# KiCad board SparkFun_GNSS_LG580P_panelized.kicad_pcb (continued)
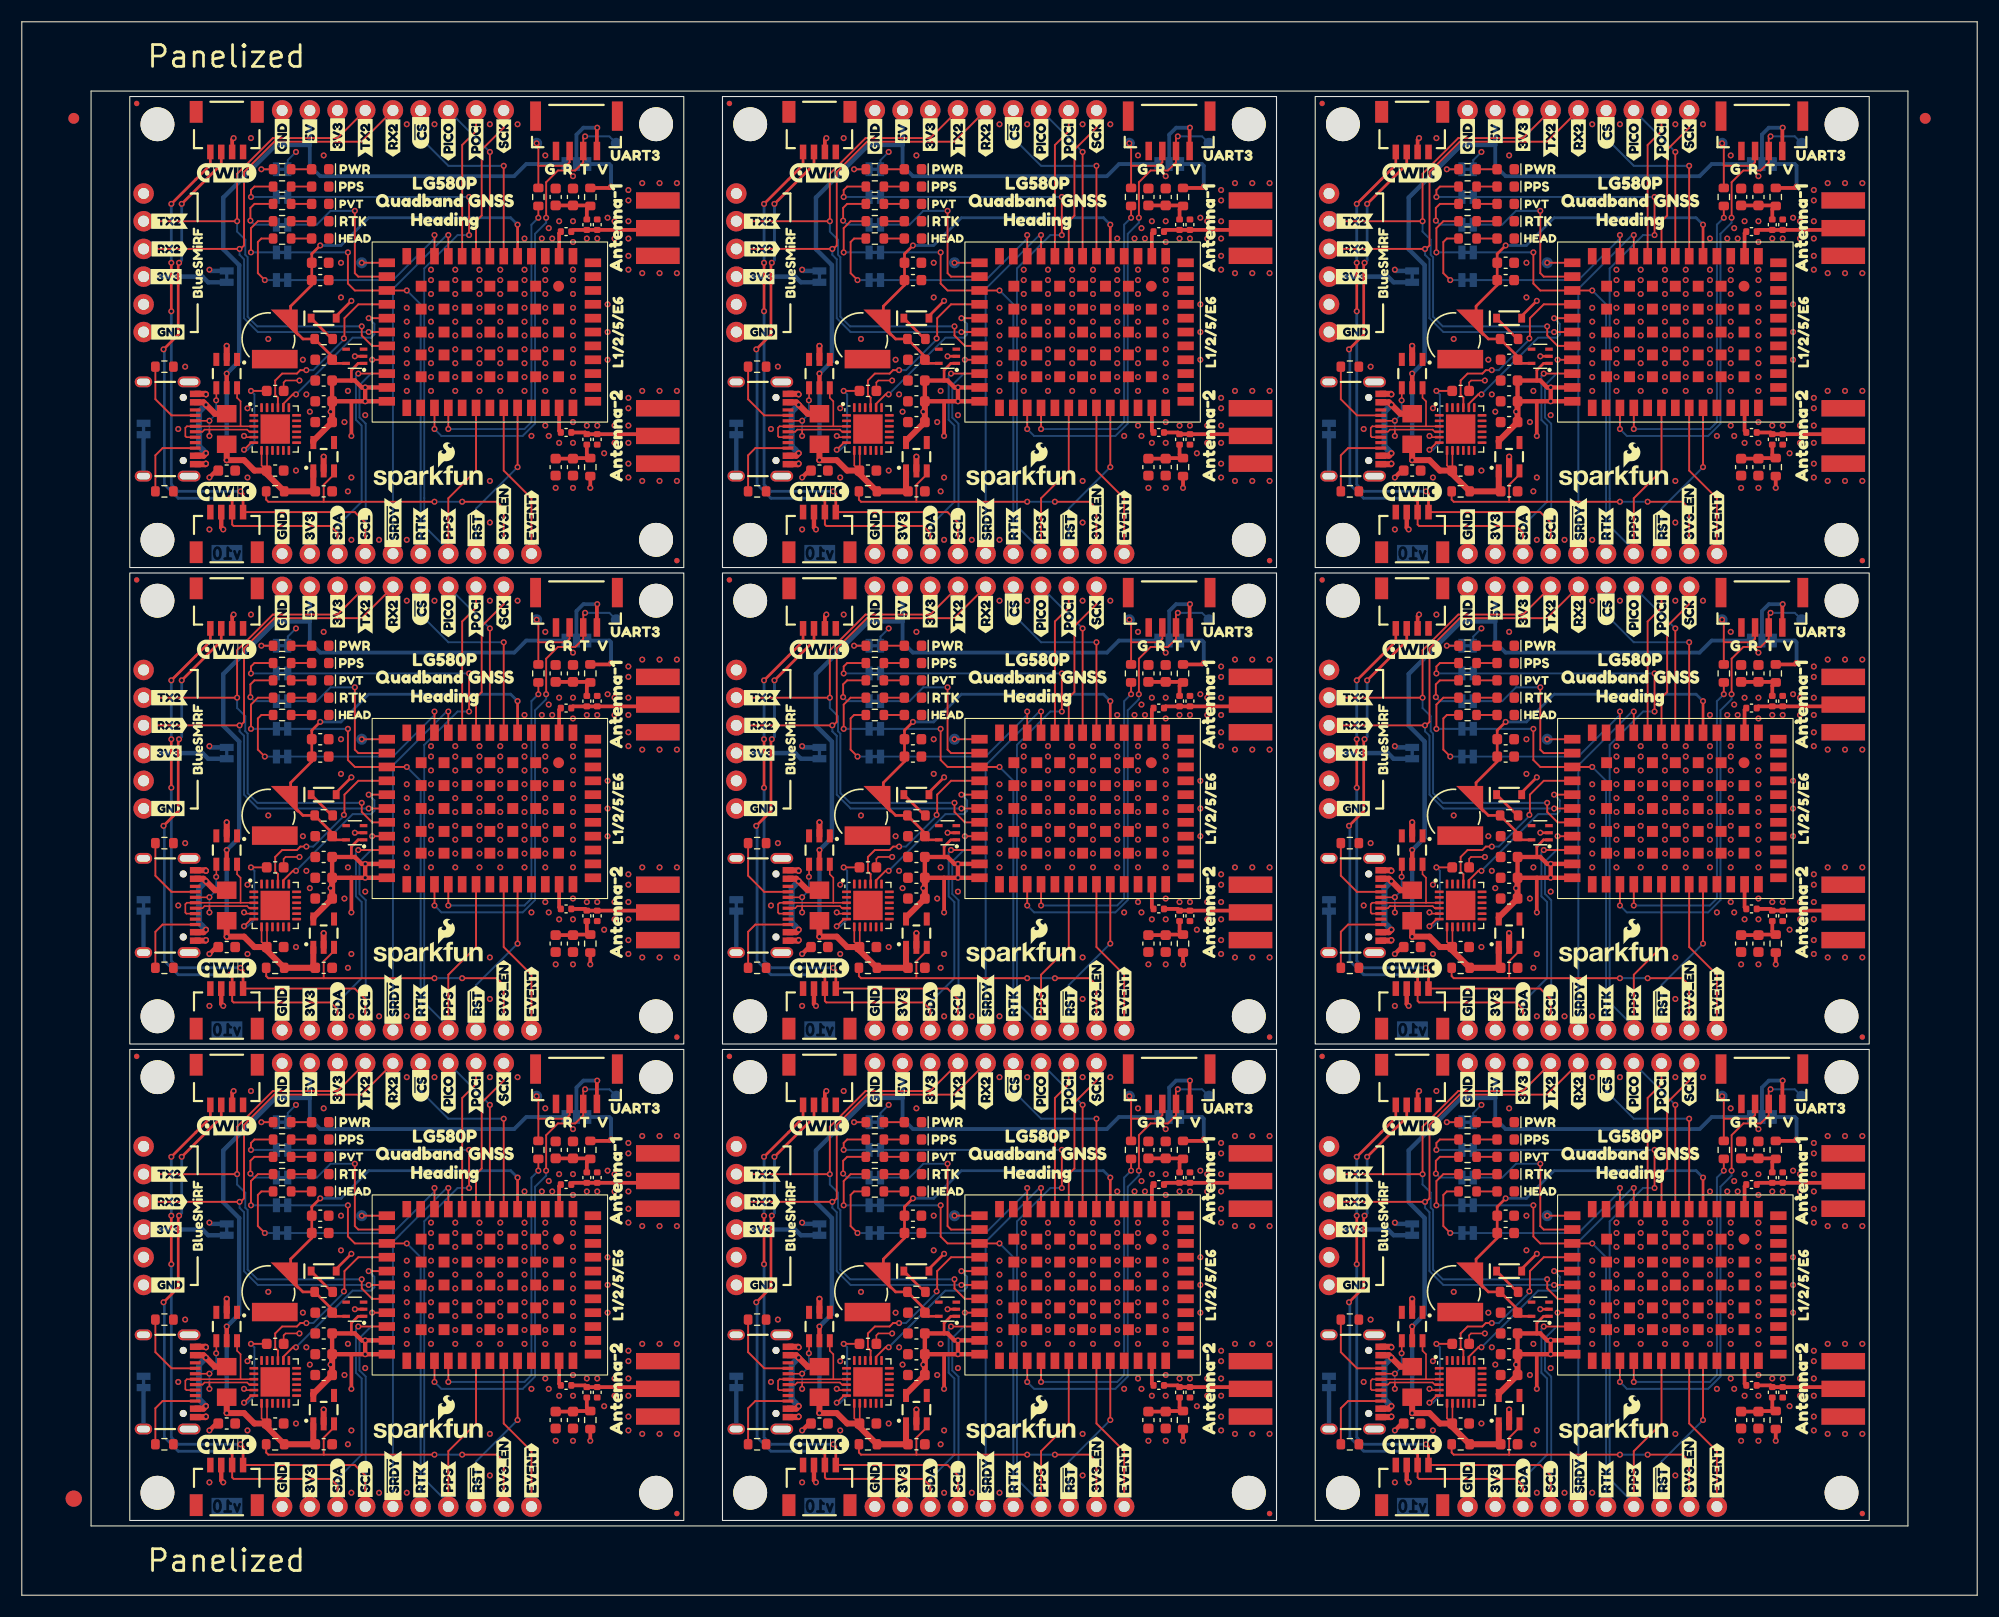
[diagram p0: board, top side]
## Routing (per net, layer and track width the routed paths; a pad name or vN(x,y) marks a point on that pad's centre or on a via; arc(x,y) is an arc through that point) (continued)
  Bottom w0.178: v1(51.65,46.38) 53.87,46.38 TP3#9.1 ; TP3#3.1 53.87,133.74 v1(51.65,133.74) ; v1(48.08,38.92) 48.08,38.46 47.06,37.44 47.06,20.05 45.92,18.92 38.47,18.92 v1(37.84,19.55) ; v1(37.84,63.23) 38.47,62.6 45.92,62.6 47.06,63.73 47.06,81.12 48.08,82.14 v1(48.08,82.6) ; v1(51.65,90.06) 53.87,90.06 TP3#2.1 ; v1(92.19,63.23) 92.82,62.6 100.27,62.6 101.41,63.73 101.41,81.12 102.42,82.14 v1(102.42,82.6) ; v1(156.77,38.92) 156.77,38.46 155.75,37.44 155.75,20.05 154.62,18.92 147.17,18.92 v1(146.53,19.55) ; TP3#6.1 108.22,133.74 v1(106,133.74) ; v1(146.53,106.91) 147.17,106.28 154.62,106.28 155.75,107.41 155.75,124.8 156.77,125.82 v1(156.77,126.28) ; v1(156.77,82.6) 156.77,82.14 155.75,81.12 155.75,63.73 154.62,62.6 147.17,62.6 v1(146.53,63.23) ; v1(160.35,46.38) 162.57,46.38 TP3#8.1 ; v1(102.42,38.92) 102.42,38.46 101.41,37.44 101.41,20.05 100.27,18.92 92.82,18.92 v1(92.19,19.55) ; v1(160.35,133.74) 162.57,133.74 TP3#5.1 ; TP3#7.1 162.57,90.06 v1(160.35,90.06) ; v1(37.84,106.91) 38.47,106.28 45.92,106.28 47.06,107.41 47.06,124.8 48.08,125.82 v1(48.08,126.28) ; TP3#4.1 108.22,46.38 v1(106,46.38) ; v1(102.42,126.28) 102.42,125.82 101.41,124.8 101.41,107.41 100.27,106.28 92.82,106.28 v1(92.19,106.91) ; v1(106,90.06) 108.22,90.06 TP3.1
V_BCKP: length 338
  Top w0.254: C11.1 135.28,79.28 v1(136.06,80.06) ; C11.1 C12#7.1 135.28,76.43 133.34,74.49 BT1#8.+ 133.34,72.61 134.47,71.48 R7#6.1 137.15,69.89 C9#4.1 137.48,69.25 D11#7.5 ; C11.1 135.27,78.48 ; U3#2.5 v1(154.15,125.64) ; v1(27.36,80.06) 26.59,79.28 C11#4.1 ; D11.5 28.79,112.93 C9#3.1 28.45,113.56 R7#2.1 25.77,115.17 24.65,116.29 24.65,118.17 26.59,120.11 C12.1 C11#5.1 ; C11#2.1 135.28,35.6 v1(136.06,36.38) ; C11#2.1 C12#6.1 135.28,32.75 133.34,30.81 BT1#5.+ 133.34,28.93 134.47,27.81 R7#5.1 137.15,26.2 C9#6.1 137.48,25.57 D11#6.5 ; C11#2.1 135.27,34.81 ; 80.92,78.48 C11#7.1 ; C11#7.1 C12#5.1 80.93,76.43 79,74.49 BT1#6.+ 79,72.61 80.12,71.48 R7#4.1 82.8,69.89 C9#7.1 83.13,69.25 D11#5.5 ; C11#7.1 80.93,79.28 v1(81.71,80.06) ; 80.92,34.81 C11#6.1 ; C11#6.1 C12#2.1 80.93,32.75 79,30.81 BT1#2.+ 79,28.93 80.12,27.81 R7#3.1 82.8,26.2 C9#2.1 83.13,25.57 D11#4.5 ; C11#6.1 80.93,35.6 v1(81.71,36.38) ; C11#5.1 26.59,122.96 v1(27.36,123.74) ; C11#5.1 26.57,122.17 ; C11#3.1 C12#8.1 135.28,120.11 133.34,118.17 BT1#9.+ 133.34,116.29 134.47,115.17 R7#8.1 137.15,113.56 C9#8.1 137.48,112.93 D11#2.5 ; C11#3.1 135.27,122.17 ; C11#3.1 135.28,122.96 v1(136.06,123.74) ; 45.46,79.07 v1(45.46,81.96) ; D11#3.5 28.79,69.25 C9.1 28.45,69.89 R7#9.1 25.77,71.48 24.65,72.61 24.65,74.49 26.59,76.43 C12#3.1 C11#4.1 ; 26.57,78.48 C11#4.1 ; 154.15,79.07 v1(154.15,81.96) ; 80.92,122.17 C11#8.1 ; C11#8.1 80.93,122.96 v1(81.71,123.74) ; C11#8.1 C12#4.1 80.93,120.11 79,118.17 BT1#7.+ 79,116.29 80.12,115.17 R7#7.1 82.8,113.56 C9#5.1 83.13,112.93 D11#8.5 ; 99.81,122.75 v1(99.81,125.64) ; U3#3.5 v1(45.46,125.64) ; 99.81,79.07 v1(99.81,81.96) ; 99.81,35.39 v1(99.81,38.28) ; U3#9.5 v1(45.46,38.28) ; 26.57,34.81 C11#9.1 ; C11#9.1 26.59,35.6 v1(27.36,36.38) ; C11#9.1 C12#9.1 26.59,32.75 24.65,30.81 24.65,28.93 25.77,27.81 R7.1 28.45,26.2 C9#9.1 28.79,25.57 D11#9.5 ; U3#8.5 v1(154.15,38.28)
  Bottom w0.254: v1(136.06,123.74) 137.96,123.74 140.5,126.28 153.52,126.28 v1(154.15,125.64) ; v1(99.81,125.64) 99.17,126.28 86.15,126.28 83.61,123.74 v1(81.71,123.74) ; v1(81.71,80.06) 83.61,80.06 86.15,82.6 99.17,82.6 v1(99.81,81.96) ; v1(27.36,123.74) 29.27,123.74 31.81,126.28 44.82,126.28 v1(45.46,125.64) ; v1(136.06,36.38) 137.96,36.38 140.5,38.92 153.52,38.92 v1(154.15,38.28) ; v1(136.06,80.06) 137.96,80.06 140.5,82.6 153.52,82.6 v1(154.15,81.96) ; v1(45.46,81.96) 44.82,82.6 31.81,82.6 29.27,80.06 v1(27.36,80.06) ; v1(99.81,38.28) 99.17,38.92 86.15,38.92 83.61,36.38 v1(81.71,36.38) ; v1(45.46,38.28) 44.82,38.92 31.81,38.92 29.27,36.38 v1(27.36,36.38)
~{CS}: length 175.5
  Top w0.178: 152.88,79.07 v1(152.88,87.36) ; 98.54,79.07 v1(98.54,87.36) ; U3.6 v1(98.54,43.68) ; U3#8.6 v1(152.88,43.68) ; U3#7.6 v1(98.54,131.04) ; 44.19,35.39 v1(44.19,43.68) ; 44.19,79.07 v1(44.19,87.36) ; U3#2.6 v1(152.88,131.04) ; 44.19,122.75 v1(44.19,131.04)
  Bottom w0.178: J6#5.4 90.92,89.9 93.46,87.36 v1(98.54,87.36) ; v1(44.19,43.68) 39.11,43.68 36.57,46.22 J6#9.4 ; J6#8.4 145.26,133.58 147.8,131.04 v1(152.88,131.04) ; J6#4.4 90.92,46.22 93.46,43.68 v1(98.54,43.68) ; J6#2.4 90.92,133.58 93.46,131.04 v1(98.54,131.04) ; v1(152.88,43.68) 147.8,43.68 145.26,46.22 J6#7.4 ; v1(44.19,87.36) 39.11,87.36 36.57,89.9 J6.4 ; v1(152.88,87.36) 147.8,87.36 145.26,89.9 J6#6.4 ; J6#3.4 36.57,133.58 39.11,131.04 v1(44.19,131.04)
~{ERR}_STAT: length 20.7
  Top w0.178: 33.47,78.47 v1(31.17,78.47) ; U3.14 v1(85.52,34.79) ; U3#5.14 v1(85.52,78.47) ; U3#7.14 v1(85.52,122.15) ; 33.47,122.15 v1(31.17,122.15) ; U3#6.14 v1(139.87,78.47) ; 33.47,34.79 v1(31.17,34.79) ; U3#2.14 v1(139.87,122.15) ; U3#8.14 v1(139.87,34.79)
~{RESET}: length 134.5
  Top w0.178: U3#9.33 v1(45.46,16.06) ; 99.81,65.17 v1(99.81,59.74) ; U3#8.33 v1(154.15,16.06) ; U3#6.33 v1(154.15,59.74) ; 99.81,108.85 v1(99.81,103.42) ; 99.81,21.49 v1(99.81,16.06) ; U3#3.33 v1(45.46,103.42) ; U3#4.33 v1(45.46,59.74) ; U3#2.33 v1(154.15,103.42)
  Bottom w0.178: v1(154.15,16.06) 150.34,12.25 J10#2.4 ; J10#3.4 41.65,55.93 v1(45.46,59.74) ; J10#6.4 96,99.61 v1(99.81,103.42) ; v1(45.46,16.06) 41.65,12.25 J10#9.4 ; J10.4 96,12.25 v1(99.81,16.06) ; v1(154.15,103.42) 150.34,99.61 J10#8.4 ; v1(154.15,59.74) 150.34,55.93 J10#7.4 ; J10#5.4 96,55.93 v1(99.81,59.74) ; J10#4.4 41.65,99.61 v1(45.46,103.42)
~{SDRY}: length 300.1
  Top w0.178: U3#9.10 v1(39.11,37.33) ; U3#3.10 v1(39.11,124.69) ; U3#7.10 v1(93.46,124.69) ; 39.11,79.07 v1(39.11,81.01) ; 93.46,79.07 v1(93.46,81.01) ; 147.8,79.07 v1(147.8,81.01) ; U3#8.10 v1(147.8,37.33) ; U3#2.10 v1(147.8,124.69) ; U3.10 v1(93.46,37.33)
  Bottom w0.178: J10#5.1 88.38,76.08 93.31,81.01 v1(93.46,81.01) ; v1(147.8,81.01) 147.65,81.01 142.72,76.08 J10#7.1 ; v1(39.11,124.69) 38.96,124.69 34.03,119.76 J10#4.1 ; v1(39.11,37.33) 38.96,37.33 34.03,32.4 J10#9.1 ; J10#8.1 142.72,119.76 147.65,124.69 v1(147.8,124.69) ; J10#6.1 88.38,119.76 93.31,124.69 v1(93.46,124.69) ; J10#2.1 142.72,32.4 147.65,37.33 v1(147.8,37.33) ; v1(39.11,81.01) 38.96,81.01 34.03,76.08 J10#3.1 ; v1(93.46,37.33) 93.31,37.33 88.38,32.4 J10.1
Net-(C3-Pad1): length 41.1
  Top w0.349: L1#4.1 106.16,83.36 R6#8.1 106.42,83.73 C4.1 C3#3.1 ; C3#9.1 C4#8.1 160.77,83.73 R6#7.1 160.5,83.36 L1#8.1 ; C3#6.1 C4#7.1 106.42,127.41 R6#9.1 106.16,127.04 L1#5.1 ; L1#2.1 51.81,127.04 R6#5.1 52.08,127.41 C4#3.1 C3#5.1 ; L1#3.1 51.81,83.36 R6#3.1 52.08,83.73 C4#2.1 C3#4.1 ; L1#6.1 160.5,39.68 R6#6.1 160.77,40.05 C4#5.1 C3#8.1 ; L1#9.1 160.5,127.04 R6#2.1 160.77,127.41 C4#6.1 C3#2.1 ; C3.1 C4#9.1 52.08,40.05 R6.1 51.81,39.68 L1.1 ; L1#7.1 106.16,39.68 R6#4.1 106.42,40.05 C4#4.1 C3#7.1
Net-(C14-Pad1): length 41.1
  Top w0.349: L2#5.1 160.5,17.2 R12#2.1 159.28,16.88 C15#5.1 C14#6.1 ; L2#7.1 160.5,104.56 R12#8.1 159.28,104.24 C15#7.1 C14#3.1 ; L2.1 51.81,104.56 R12.1 50.59,104.24 C15#3.1 C14#7.1 ; L2#6.1 160.5,60.88 R12#7.1 159.28,60.56 C15#6.1 C14#8.1 ; C14#4.1 C15#2.1 50.59,60.56 R12#5.1 51.81,60.88 L2#3.1 ; C14#9.1 C15#9.1 50.59,16.88 R12#9.1 51.81,17.2 L2#9.1 ; C14#2.1 C15.1 104.94,60.56 R12#3.1 106.16,60.88 L2#2.1 ; L2#8.1 106.16,104.56 R12#4.1 104.94,104.24 C15#8.1 C14.1 ; C14#5.1 C15#4.1 104.94,16.88 R12#6.1 106.16,17.2 L2#4.1
Net-(D1-A): length 16.9
  Top w0.178: R4#5.1 D1#4.2 ; R4#3.1 D1#5.2 ; R4#6.1 D1#7.2 ; R4#8.1 D1#3.2 ; R4#9.1 D1#9.2 ; R4#4.1 D1#6.2 ; R4#2.1 D1.2 ; R4.1 D1#2.2 ; R4#7.1 D1#8.2
Net-(D2-A): length 16.9
  Top w0.178: R3#7.1 D2#7.2 ; R3#3.1 D2#4.2 ; R3.1 D2#8.2 ; R3#4.1 D2#5.2 ; R3#9.1 D2#9.2 ; R3#2.1 D2#2.2 ; R3#6.1 D2#6.2 ; R3#5.1 D2#3.2 ; R3#8.1 D2.2
Net-(D3-A2): length 74
  Top w0.349: C6#3.1 104.89,81.48 L1#4.2 D3#3.2 112.66,81.48 112.82,81.65 ; C6#6.1 159.23,37.8 L1#6.2 D3#4.2 167.01,37.8 167.17,37.97 ; 112.82,125.33 112.66,125.16 D3#7.2 L1#5.2 104.89,125.16 C6#5.1 ; 167.17,125.33 167.01,125.16 D3#8.2 L1#9.2 159.23,125.16 C6#8.1 ; 58.48,37.97 58.31,37.8 D3#9.2 L1.2 50.54,37.8 C6#9.1 ; 112.82,37.97 112.66,37.8 D3#2.2 L1#7.2 104.89,37.8 C6#2.1 ; 167.17,81.65 167.01,81.48 D3.2 L1#8.2 159.23,81.48 C6#7.1 ; C6.1 50.54,81.48 L1#3.2 D3#6.2 58.31,81.48 58.48,81.65 ; 58.48,125.33 58.31,125.16 D3#5.2 L1#2.2 50.54,125.16 C6#4.1
Net-(D4-A): length 16.9
  Top w0.178: R5#2.1 D4#4.2 ; R5#6.1 D4#6.2 ; R5#8.1 D4#7.2 ; R5#9.1 D4#9.2 ; R5#3.1 D4.2 ; R5#4.1 D4#3.2 ; R5#7.1 D4#8.2 ; R5.1 D4#5.2 ; R5#5.1 D4#2.2
Net-(D5-K): length 24.9
  Top w0.254: R7.2 28.43,27.81 D5#9.1 ; D5#5.1 82.78,27.81 R7#3.2 ; R7#2.2 28.43,115.17 D5#2.1 ; R7#7.2 82.78,115.17 D5#6.1 ; R7#5.2 137.13,27.81 D5#7.1 ; R7#8.2 137.13,115.17 D5#8.1 ; R7#6.2 137.13,71.48 D5.1 ; D5#4.1 28.43,71.48 R7#9.2 ; D5#3.1 82.78,71.48 R7#4.2
Net-(D8-A): length 16.9
  Top w0.178: R10#5.1 D8#6.2 ; R10#9.1 D8#9.2 ; R10#8.1 D8#8.2 ; R10#4.1 D8#2.2 ; R10#7.1 D8#3.2 ; R10#3.1 D8#5.2 ; R10.1 D8#7.2 ; R10#6.1 D8#4.2 ; R10#2.1 D8.2
Net-(D9-A): length 16.9
  Top w0.178: R11#2.1 D9#2.2 ; R11#5.1 D9#8.2 ; R11.1 D9#3.2 ; R11#7.1 D9#5.2 ; R11#4.1 D9#9.2 ; R11#9.1 D9.2 ; R11#3.1 D9#4.2 ; R11#8.1 D9#6.2 ; R11#6.1 D9#7.2
Net-(D10-A2): length 74
  Top w0.349: 167.17,106.28 167.01,106.44 D10#7.2 L2#7.2 160.35,106.59 C16#7.1 ; 112.82,62.6 112.66,62.76 D10#5.2 L2#2.2 106,62.91 C16#3.1 ; 58.48,106.28 58.31,106.44 D10#3.2 L2.2 51.65,106.59 C16.1 ; C16#8.1 160.35,62.91 L2#6.2 D10#6.2 167.01,62.76 167.17,62.6 ; C16#5.1 106,106.59 L2#8.2 D10.2 112.66,106.44 112.82,106.28 ; C16#6.1 160.35,19.23 L2#5.2 D10#8.2 167.01,19.08 167.17,18.92 ; C16#4.1 106,19.23 L2#4.2 D10#4.2 112.66,19.08 112.82,18.92 ; 58.48,18.92 58.31,19.08 D10#9.2 L2#9.2 51.65,19.23 C16#9.1 ; C16#2.1 51.65,62.91 L2#3.2 D10#2.2 58.31,62.76 58.48,62.6
Net-(F1-Pad2): length 84.2
  Top w0.559: F1#8.2 72.05,108.31 v1(71.23,109.13) 71,109.36 J1#6.VBUS ; v1(16.88,104.69) 16.66,104.46 J1.VBUS ; F1#3.2 72.05,20.95 v1(71.23,21.77) 71,22 J1#5.VBUS ; F1#7.2 126.4,108.31 v1(125.58,109.13) 125.35,109.36 J1#8.VBUS ; F1#4.2 72.05,64.63 v1(71.23,65.45) 71,65.68 J1#2.VBUS ; J1#2.VBUS 71,60.78 v1(71.23,61.01) ; J1#9.VBUS 16.66,22 v1(16.88,21.77) 17.71,20.95 F1.2 ; J1#4.VBUS 16.66,65.68 v1(16.88,65.45) 17.71,64.63 F1#2.2 ; J1#8.VBUS 125.35,104.46 v1(125.58,104.69) ; F1#5.2 17.71,108.31 v1(16.88,109.13) 16.66,109.36 J1.VBUS ; J1#7.VBUS 125.35,60.78 v1(125.58,61.01) ; v1(16.88,61.01) 16.66,60.78 J1#4.VBUS ; F1#9.2 126.4,64.63 v1(125.58,65.45) 125.35,65.68 J1#7.VBUS ; v1(71.23,104.69) 71,104.46 J1#6.VBUS ; 15.91,17.1 16.66,17.1 v1(16.88,17.33) ; v1(125.58,17.33) 125.35,17.1 124.6,17.1 ; 70.26,17.1 71,17.1 v1(71.23,17.33) ; F1#6.2 126.4,20.95 v1(125.58,21.77) 125.35,22 J1#3.VBUS
  Bottom w0.559: v1(16.88,61.01) 16.25,61.64 16.25,64.82 v1(16.88,65.45) ; v1(16.88,104.69) 16.25,105.32 16.25,108.5 v1(16.88,109.13) ; v1(125.58,104.69) 124.94,105.32 124.94,108.5 v1(125.58,109.13) ; v1(125.58,65.45) 124.94,64.82 124.94,61.64 v1(125.58,61.01) ; v1(71.23,65.45) 70.6,64.82 70.6,61.64 v1(71.23,61.01) ; v1(16.88,17.33) 16.25,17.96 16.25,21.14 v1(16.88,21.77) ; v1(71.23,17.33) 70.6,17.96 70.6,21.14 v1(71.23,21.77) ; v1(71.23,109.13) 70.6,108.5 70.6,105.32 v1(71.23,104.69) ; v1(125.58,17.33) 124.94,17.96 124.94,21.14 v1(125.58,21.77)
Net-(J1-CC1): length 65.3
  Top w0.178: J1#3.A5 122.42,20.8 120.94,22.28 120.94,25.27 ; R2#3.2 66.6,109.64 68.08,108.16 J1#6.A5 ; J1#5.A5 68.08,20.8 66.6,22.28 R2#5.2 ; 12.25,68.94 12.25,65.96 13.73,64.48 J1#4.A5 ; 120.94,68.94 120.94,65.96 122.42,64.48 J1#7.A5 ; J1#9.A5 13.73,20.8 12.25,22.28 12.25,25.27 ; 120.94,112.62 120.94,109.64 122.42,108.16 J1#8.A5 ; 12.25,112.62 12.25,109.64 13.73,108.16 J1.A5 ; R2#6.2 66.6,65.96 68.08,64.48 J1#2.A5
Net-(J1-CC2): length 65.1
  Top w0.178: J1#4.B5 12.91,61.48 12.25,60.82 12.25,57.52 ; R1#3.2 66.6,17.14 67.26,17.8 J1#5.B5 ; 120.94,57.52 120.94,60.82 121.61,61.48 J1#7.B5 ; R1#4.2 66.6,60.82 67.26,61.48 J1#2.B5 ; 12.25,13.84 12.25,17.14 12.91,17.8 J1#9.B5 ; J1#6.B5 67.26,105.16 66.6,104.5 R1.2 ; J1#8.B5 121.61,105.16 120.94,104.5 120.94,101.2 ; 120.94,13.84 120.94,17.14 121.61,17.8 J1#3.B5 ; 12.25,101.2 12.25,104.5 12.91,105.16 J1.B5
Net-(J1-SHIELD): length 34.2
  Bottom w0.406: JP7#4.2 65.51,15.24 J1#5.S ; J1#9.S 11.16,15.24 JP7.2 ; JP7#2.2 11.16,58.92 J1#4.S ; J1#2.S 65.51,58.92 JP7#5.2 ; JP7#3.2 11.16,102.6 J1.S ; J1#8.S 119.86,102.6 JP7#9.2 ; JP7#6.2 65.51,102.6 J1#6.S ; JP7#8.2 119.86,58.92 J1#7.S ; J1#3.S 119.86,15.24 JP7#7.2
Net-(J2-Pin_4): length 70.5
  Bottom w0.406: JP1#7.1 125.78,76.68 125.26,77.2 J2#7.4 ; JP1#9.1 17.09,33 16.57,33.52 J2#9.4 ; JP1#5.1 71.43,33 70.91,33.52 J2.4 ; 65.52,120.88 70.91,120.88 71.43,120.36 JP1#6.1 ; 119.86,120.88 125.26,120.88 125.78,120.36 JP1#8.1 ; JP1.1 71.43,76.68 70.91,77.2 J2#4.4 ; 11.17,120.88 16.57,120.88 17.09,120.36 JP1#4.1 ; JP1#3.1 17.09,76.68 16.57,77.2 J2#3.4 ; JP1#2.1 125.78,33 125.26,33.52 J2#6.4
Net-(J8-Pin_1): length 63.2
  Top w0.349: J8#9.1 52.73,47.14 v1(52.76,47.17) ; J8#7.1 107.08,47.14 v1(107.11,47.17) ; v1(107.11,90.85) 107.08,90.82 J8#5.1 ; v1(52.76,90.85) 52.73,90.82 J8.1 ; J8#3.1 161.43,47.14 v1(161.46,47.17) ; v1(52.76,134.53) 52.73,134.5 J8#4.1 ; J8#6.1 161.43,90.82 v1(161.46,90.85) ; v1(107.11,134.53) 107.08,134.5 J8#2.1 ; J8#8.1 161.43,134.5 v1(161.46,134.53)
  Bottom w0.349: JP4#5.2 105.2,46.54 105.84,47.17 v1(107.11,47.17) ; v1(52.76,134.53) 51.49,134.53 50.86,133.9 JP4#4.2 ; v1(107.11,134.53) 105.84,134.53 105.2,133.9 JP4#8.2 ; v1(52.76,90.85) 51.49,90.85 50.86,90.22 JP4#3.2 ; JP4.2 50.86,46.54 51.49,47.17 v1(52.76,47.17) ; v1(161.46,134.53) 160.19,134.53 159.55,133.9 JP4#6.2 ; v1(161.46,90.85) 160.19,90.85 159.55,90.22 JP4#9.2 ; JP4#7.2 159.55,46.54 160.19,47.17 v1(161.46,47.17) ; JP4#2.2 105.2,90.22 105.84,90.85 v1(107.11,90.85)
Net-(J8-Pin_3): length 78.6
  Top w0.178: 104.58,132.94 J8#2.3 104.58,131.37 104.25,131.04 101.71,131.04 ; 158.93,45.58 J8#3.3 158.93,44.01 158.6,43.68 156.06,43.68 ; 50.23,132.94 J8#4.3 50.23,131.37 49.9,131.04 47.36,131.04 ; R8#4.1 156.06,131.04 ; 156.06,131.04 158.6,131.04 158.93,131.37 J8#8.3 158.93,132.94 ; 156.06,131.04 156.06,132.94 v1(155.9,133.1) ; v1(47.2,133.1) 47.36,132.94 47.36,131.04 ; R8#5.1 101.71,43.68 ; 101.71,43.68 101.71,45.59 v1(101.55,45.74) ; 101.71,43.68 104.25,43.68 104.58,44.01 J8#7.3 104.58,45.58 ; 101.71,87.36 101.71,89.27 v1(101.55,89.42) ; 101.71,87.36 104.25,87.36 104.58,87.69 J8#5.3 104.58,89.25 ; 101.71,87.36 R8.1 ; 47.36,131.04 R8#2.1 ; v1(47.2,45.74) 47.36,45.59 47.36,43.68 ; 156.06,87.36 158.6,87.36 158.93,87.69 J8#6.3 158.93,89.25 ; 156.06,87.36 R8#8.1 ; 156.06,87.36 156.06,89.27 v1(155.9,89.42) ; 156.06,43.68 R8#7.1 ; 156.06,43.68 156.06,45.59 v1(155.9,45.74) ; 50.23,89.25 J8.3 50.23,87.69 49.9,87.36 47.36,87.36 ; 101.71,131.04 101.71,132.94 v1(101.55,133.1) ; 101.71,131.04 R8#6.1 ; 47.36,43.68 R8#9.1 ; 47.36,43.68 49.9,43.68 50.23,44.01 J8#9.3 50.23,45.58 ; 47.36,87.36 R8#3.1 ; 47.36,87.36 47.36,89.27 v1(47.2,89.42)
Net-(JP2-A): length 22.2
  Top w0.178: v1(21.96,43.36) R4#9.2 ; v1(21.96,130.72) R4#3.2 ; v1(130.66,87.04) R4#8.2 ; v1(76.31,130.72) R4#5.2 ; v1(130.66,130.72) R4#7.2 ; v1(21.96,87.04) R4#2.2 ; v1(76.31,87.04) R4.2 ; v1(130.66,43.36) R4#6.2 ; v1(76.31,43.36) R4#4.2
  Bottom w0.178: JP2#4.1 v1(76.31,43.36) ; JP2#8.1 v1(130.66,87.04) ; JP2.1 v1(76.31,87.04) ; JP2#2.1 v1(130.66,43.36) ; JP2#3.1 v1(21.96,87.04) ; JP2#9.1 v1(21.96,43.36) ; JP2#6.1 v1(130.66,130.72) ; JP2#5.1 v1(76.31,130.72) ; JP2#7.1 v1(21.96,130.72)
Net-(JP3-A): length 46.2
  Top w0.178: v1(21.01,84.5) 21.01,85.14 21.33,85.46 R5.2 ; R5#8.2 130.02,85.46 129.71,85.14 v1(129.71,84.5) ; R5#6.2 75.68,41.78 75.36,41.46 v1(75.36,40.82) ; v1(129.71,128.18) 129.71,128.82 130.02,129.13 R5#7.2 ; R5#2.2 75.68,129.13 75.36,128.82 v1(75.36,128.18) ; v1(21.01,128.18) 21.01,128.82 21.33,129.13 R5#5.2 ; v1(75.36,84.5) 75.36,85.14 75.68,85.46 R5#4.2 ; R5#9.2 21.33,41.78 21.01,41.46 v1(21.01,40.82) ; v1(129.71,40.82) 129.71,41.46 130.02,41.78 R5#3.2
  Bottom w0.178: JP3#8.1 v1(129.71,84.5) ; JP3.1 v1(21.01,40.82) ; JP3#5.1 v1(21.01,84.5) ; JP3#7.1 v1(75.36,128.18) ; JP3#2.1 v1(75.36,40.82) ; JP3#4.1 v1(21.01,128.18) ; JP3#6.1 v1(75.36,84.5) ; JP3#3.1 v1(129.71,40.82) ; JP3#9.1 v1(129.71,128.18)
Net-(JP5-A): length 61.7
  Top w0.178: v1(75.36,79.42) 75.36,81.65 75.99,82.28 R3#3.2 ; v1(75.36,35.74) 75.36,37.97 75.99,38.6 R3#5.2 ; R3#2.2 21.65,125.96 21.01,125.33 v1(21.01,123.1) ; R3#7.2 130.34,38.6 129.71,37.97 v1(129.71,35.74) ; v1(21.01,79.42) 21.01,81.65 21.65,82.28 R3#6.2 ; v1(75.36,123.1) 75.36,125.33 75.99,125.96 R3#8.2 ; R3#4.2 130.34,125.96 129.71,125.33 v1(129.71,123.1) ; R3#9.2 21.65,38.6 21.01,37.97 v1(21.01,35.74) ; R3.2 130.34,82.28 129.71,81.65 v1(129.71,79.42)
  Bottom w0.178: JP5.1 v1(21.01,123.1) ; JP5#3.1 v1(129.71,79.42) ; JP5#5.1 v1(75.36,79.42) ; JP5#9.1 v1(21.01,35.74) ; JP5#4.1 v1(75.36,123.1) ; JP5#7.1 v1(21.01,79.42) ; JP5#8.1 v1(129.71,123.1) ; JP5#2.1 v1(75.36,35.74) ; JP5#6.1 v1(129.71,35.74)
Net-(JP6-A): length 57.2
  Top w0.178: v1(22.28,33.2) 21.65,33.84 21.65,36.7 21.96,37.01 R10#9.2 ; R10#6.2 130.66,80.69 130.34,80.38 130.34,77.52 v1(130.98,76.88) ; R10#4.2 76.31,37.01 75.99,36.7 75.99,33.84 v1(76.63,33.2) ; v1(76.63,120.56) 75.99,121.2 75.99,124.06 76.31,124.37 R10#7.2 ; v1(130.98,120.56) 130.34,121.2 130.34,124.06 130.66,124.37 R10#8.2 ; v1(76.63,76.88) 75.99,77.52 75.99,80.38 76.31,80.69 R10.2 ; v1(22.28,76.88) 21.65,77.52 21.65,80.38 21.96,80.69 R10#2.2 ; v1(22.28,120.56) 21.65,121.2 21.65,124.06 21.96,124.37 R10#3.2 ; v1(130.98,33.2) 130.34,33.84 130.34,36.7 130.66,37.01 R10#5.2
  Bottom w0.178: JP6#5.1 v1(76.63,33.2) ; JP6#4.1 v1(130.98,33.2) ; JP6#2.1 v1(130.98,76.88) ; JP6#9.1 v1(22.28,33.2) ; JP6.1 v1(76.63,120.56) ; JP6#8.1 v1(22.28,120.56) ; JP6#3.1 v1(130.98,120.56) ; JP6#6.1 v1(76.63,76.88) ; JP6#7.1 v1(22.28,76.88)
Net-(JP8-A): length 53.5
  Top w0.178: v1(129.66,82.33) 129.66,83.5 130.02,83.87 R11#7.2 ; v1(129.66,38.65) 129.66,39.82 130.02,40.19 R11#4.2 ; R11#3.2 21.33,83.87 20.96,83.5 v1(20.96,82.33) ; v1(129.66,126.01) 129.66,127.18 130.02,127.55 R11#8.2 ; R11#5.2 75.68,83.87 75.31,83.5 v1(75.31,82.33) ; v1(20.96,38.65) 20.96,39.82 21.33,40.19 R11#9.2 ; R11#6.2 75.68,127.55 75.31,127.18 v1(75.31,126.01) ; v1(75.31,38.65) 75.31,39.82 75.68,40.19 R11.2 ; v1(20.96,126.01) 20.96,127.18 21.33,127.55 R11#2.2
  Bottom w0.178: JP8#8.1 130.02,125.64 v1(129.66,126.01) ; JP8#9.1 75.68,125.64 v1(75.31,126.01) ; v1(20.96,82.33) 21.33,81.96 JP8#7.1 ; JP8#5.1 130.02,81.96 v1(129.66,82.33) ; JP8#4.1 130.02,38.28 v1(129.66,38.65) ; JP8#3.1 21.33,125.64 v1(20.96,126.01) ; JP8#2.1 75.68,38.28 v1(75.31,38.65) ; JP8#6.1 75.68,81.96 v1(75.31,82.33) ; v1(20.96,38.65) 21.33,38.28 JP8.1
Net-(U1-I/O3): length 108.7
  Top w0.152: J1#2.A7 70.91,62.98 71.1,63.18 71.55,63.18 ; v1(125.9,20.31) 125.89,20.3 J1#3.B7 ; 17.2,19.5 v1(17.2,18.92) ; 17.2,19.5 20.66,19.5 20.86,19.3 U4#9.4 ; 17.2,19.5 16.76,19.5 16.56,19.3 J1#9.A7 ; U1#4.4 126.53,109.55 v1(126.52,109.54) ; U1#7.4 72.19,109.55 v1(72.17,109.54) ; U1#2.4 17.84,65.87 v1(17.82,65.86) ; U1#9.4 17.84,22.19 v1(17.82,22.18) ; v1(126.52,22.18) 126.53,22.19 U1#8.4 ; v1(17.2,107.67) 17.19,107.66 J1.B7 ; J1#3.A7 125.26,19.3 125.45,19.5 125.9,19.5 ; J1#5.B7 71.54,20.3 v1(71.55,20.31) ; U4#8.4 129.55,106.66 129.36,106.86 125.9,106.86 ; v1(17.2,63.99) 17.19,63.98 J1#4.B7 ; v1(17.2,20.31) 17.19,20.3 J1#9.B7 ; 71.55,63.18 v1(71.55,62.6) ; 71.55,63.18 75.01,63.18 75.21,62.98 U4#5.4 ; J1#6.A7 70.91,106.66 71.1,106.86 71.55,106.86 ; J1.A7 16.56,106.66 16.76,106.86 17.2,106.86 ; 125.9,19.5 129.36,19.5 129.55,19.3 U4#7.4 ; 125.9,19.5 v1(125.9,18.92) ; 17.2,63.18 20.66,63.18 20.86,62.98 U4#2.4 ; 17.2,63.18 v1(17.2,62.6) ; 17.2,63.18 16.76,63.18 16.56,62.98 J1#4.A7 ; 71.55,106.86 75.01,106.86 75.21,106.66 U4#3.4 ; 71.55,106.86 v1(71.55,106.28) ; v1(72.17,22.18) 72.19,22.19 U1#5.4 ; v1(125.9,63.99) 125.89,63.98 J1#7.B7 ; v1(72.17,65.86) 72.19,65.87 U1#6.4 ; J1#7.A7 125.26,62.98 125.45,63.18 125.9,63.18 ; v1(125.9,107.67) 125.89,107.66 J1#8.B7 ; 125.9,106.86 v1(125.9,106.28) ; 125.9,106.86 125.45,106.86 125.26,106.66 J1#8.A7 ; 71.55,19.5 v1(71.55,18.92) ; 71.55,19.5 71.1,19.5 70.91,19.3 J1#5.A7 ; 71.55,19.5 75.01,19.5 75.21,19.3 U4.4 ; J1#6.B7 71.54,107.66 v1(71.55,107.67) ; v1(126.52,65.86) 126.53,65.87 U1#3.4 ; v1(71.55,63.99) 71.54,63.98 J1#2.B7 ; 17.2,106.86 20.66,106.86 20.86,106.66 U4#4.4 ; 17.2,106.86 v1(17.2,106.28) ; 125.9,63.18 129.36,63.18 129.55,62.98 U4#6.4 ; 125.9,63.18 v1(125.9,62.6) ; U1.4 17.84,109.55 v1(17.82,109.54)
  Bottom w0.152: v1(17.2,106.28) v1(17.2,107.67) 17.82,108.29 v1(17.82,109.54) ; v1(17.2,18.92) v1(17.2,20.31) 17.82,20.93 v1(17.82,22.18) ; v1(126.52,65.86) 126.52,64.61 v1(125.9,63.99) v1(125.9,62.6) ; v1(72.17,109.54) 72.17,108.29 v1(71.55,107.67) v1(71.55,106.28) ; v1(17.82,65.86) 17.82,64.61 v1(17.2,63.99) v1(17.2,62.6) ; v1(72.17,65.86) 72.17,64.61 v1(71.55,63.99) v1(71.55,62.6) ; v1(71.55,18.92) v1(71.55,20.31) 72.17,20.93 v1(72.17,22.18) ; v1(126.52,22.18) 126.52,20.93 v1(125.9,20.31) v1(125.9,18.92) ; v1(125.9,106.28) v1(125.9,107.67) 126.52,108.29 v1(126.52,109.54)
Net-(U1-I/O4): length 105.4
  Top w0.152: 74.41,19.8 U4.3 ; 74.41,19.8 74.41,22.09 74.09,22.41 74.09,23.33 ; 74.41,19.8 J1#5.A6 69.48,19.8 69.34,19.66 69.34,18.9 69.44,18.8 J1#5.B6 ; 20.06,63.48 U4#2.3 ; 20.06,63.48 20.06,65.77 19.74,66.09 U1#2.6 ; 20.06,63.48 J1#4.A6 15.13,63.48 14.99,63.34 14.99,62.58 15.09,62.48 J1#4.B6 ; J1#3.B6 123.79,18.8 123.69,18.9 123.69,19.66 123.83,19.8 J1#3.A6 128.75,19.8 ; 128.75,63.48 U4#6.3 ; 128.75,63.48 J1#7.A6 123.83,63.48 123.69,63.34 123.69,62.58 123.79,62.48 J1#7.B6 ; 128.75,63.48 128.75,65.77 128.43,66.09 U1#3.6 ; 74.41,63.48 U4#5.3 ; 74.41,63.48 74.41,65.77 74.09,66.09 74.09,67.01 ; 74.41,63.48 J1#2.A6 69.48,63.48 69.34,63.34 69.34,62.58 69.44,62.48 J1#2.B6 ; 74.09,110.69 74.09,109.77 74.41,109.45 74.41,107.16 ; 74.41,107.16 J1#6.A6 69.48,107.16 69.34,107.02 69.34,106.26 69.44,106.16 J1#6.B6 ; 74.41,107.16 U4#3.3 ; U1#4.6 128.43,109.77 128.75,109.45 128.75,107.16 ; U1.6 19.74,109.77 20.06,109.45 20.06,107.16 ; 128.75,107.16 J1#8.A6 123.83,107.16 123.69,107.02 123.69,106.26 123.79,106.16 J1#8.B6 ; 128.75,107.16 U4#8.3 ; 20.06,19.8 J1#9.A6 15.13,19.8 14.99,19.66 14.99,18.9 15.09,18.8 J1#9.B6 ; 20.06,19.8 20.06,22.09 19.74,22.41 U1#9.6 ; 20.06,19.8 U4#9.3 ; 20.06,107.16 J1.A6 15.13,107.16 14.99,107.02 14.99,106.26 15.09,106.16 J1.B6 ; 20.06,107.16 U4#4.3 ; 128.75,19.8 U4#7.3 ; 128.75,19.8 128.75,22.09 128.43,22.41 U1#8.6
Net-(U4-V3): length 78.5
  Top w0.178: C10#5.2 v1(21.01,66.72) ; U4#6.6 129.73,61.98 v1(129.07,61.33) ; C10#8.2 v1(129.71,66.72) ; v1(20.38,17.64) 21.03,18.3 U4#9.6 ; U4#5.6 75.38,61.98 v1(74.72,61.33) ; v1(20.38,105) 21.03,105.66 U4#4.6 ; v1(74.72,105) 75.38,105.66 U4#3.6 ; C10#4.2 v1(21.01,110.4) ; C10#3.2 v1(129.71,110.4) ; 76.81,110.4 v1(75.36,110.4) ; v1(74.72,17.64) 75.38,18.3 U4.6 ; v1(20.38,61.33) 21.03,61.98 U4#2.6 ; 76.81,23.04 v1(75.36,23.04) ; U4#8.6 129.73,105.66 v1(129.07,105) ; v1(129.07,17.64) 129.73,18.3 U4#7.6 ; 76.81,66.72 v1(75.36,66.72) ; C10#9.2 v1(21.01,23.04) ; C10#2.2 v1(129.71,23.04)
  Bottom w0.178: v1(129.07,61.33) 129.39,61.33 130.02,61.96 130.02,66.41 v1(129.71,66.72) ; v1(129.07,17.64) 129.39,17.64 130.02,18.28 130.02,22.73 v1(129.71,23.04) ; v1(75.36,23.04) 75.68,22.73 75.68,18.28 75.04,17.64 v1(74.72,17.64) ; v1(75.36,66.72) 75.68,66.41 75.68,61.96 75.04,61.33 v1(74.72,61.33) ; v1(129.71,110.4) 130.02,110.09 130.02,105.64 129.39,105 v1(129.07,105) ; v1(20.38,17.64) 20.69,17.64 21.33,18.28 21.33,22.73 v1(21.01,23.04) ; v1(74.72,105) 75.04,105 75.68,105.64 75.68,110.09 v1(75.36,110.4) ; v1(21.01,66.72) 21.33,66.41 21.33,61.96 20.69,61.33 v1(20.38,61.33) ; v1(21.01,110.4) 21.33,110.09 21.33,105.64 20.69,105 v1(20.38,105)

## Copper pours and planes (outline as drawn; the poured copper is in the pictures)
3.3V on L3.Cu: 118.59,6.85 118.59,50.03 169.39,50.03 169.39,6.85
3.3V on L3.Cu: 9.9,6.85 9.9,50.03 60.7,50.03 60.7,6.85
3.3V on L3.Cu: 9.9,50.53 9.9,93.71 60.7,93.71 60.7,50.53
3.3V on L3.Cu: 9.9,94.21 9.9,137.39 60.7,137.39 60.7,94.21
3.3V on L3.Cu: 118.59,50.53 118.59,93.71 169.39,93.71 169.39,50.53
3.3V on L3.Cu: 64.25,94.21 64.25,137.39 115.05,137.39 115.05,94.21
3.3V on L3.Cu: 64.25,50.53 64.25,93.71 115.05,93.71 115.05,50.53
3.3V on L3.Cu: 118.59,94.21 118.59,137.39 169.39,137.39 169.39,94.21
3.3V on L3.Cu: 64.25,6.85 64.25,50.03 115.05,50.03 115.05,6.85
GND on Top, Bottom, L2.Cu: 64.25,94.21 64.25,137.39 115.05,137.39 115.05,94.21
GND on Top, Bottom, L2.Cu: 118.59,6.85 118.59,50.03 169.39,50.03 169.39,6.85
GND on Top, Bottom, L2.Cu: 9.9,94.21 9.9,137.39 60.7,137.39 60.7,94.21
GND on Top, Bottom, L2.Cu: 118.59,94.21 118.59,137.39 169.39,137.39 169.39,94.21
GND on Top, Bottom, L2.Cu: 9.9,50.53 9.9,93.71 60.7,93.71 60.7,50.53
GND on Top, Bottom, L2.Cu: 9.9,6.85 9.9,50.03 60.7,50.03 60.7,6.85
